# Altium PCB RUMBA32.PcbDoc (part 3 of 3)
Units mm, origin at the board's own origin, x right, y up, seen from the top; angles counter-clockwise.
Board outline 135 x 75 mm, 4 copper layers (Component Side, Ground Plane, Power Plane, Solder Side), stack 0.844 mm thick; 268 components, 214 nets, 1103 pads, 236 vias.
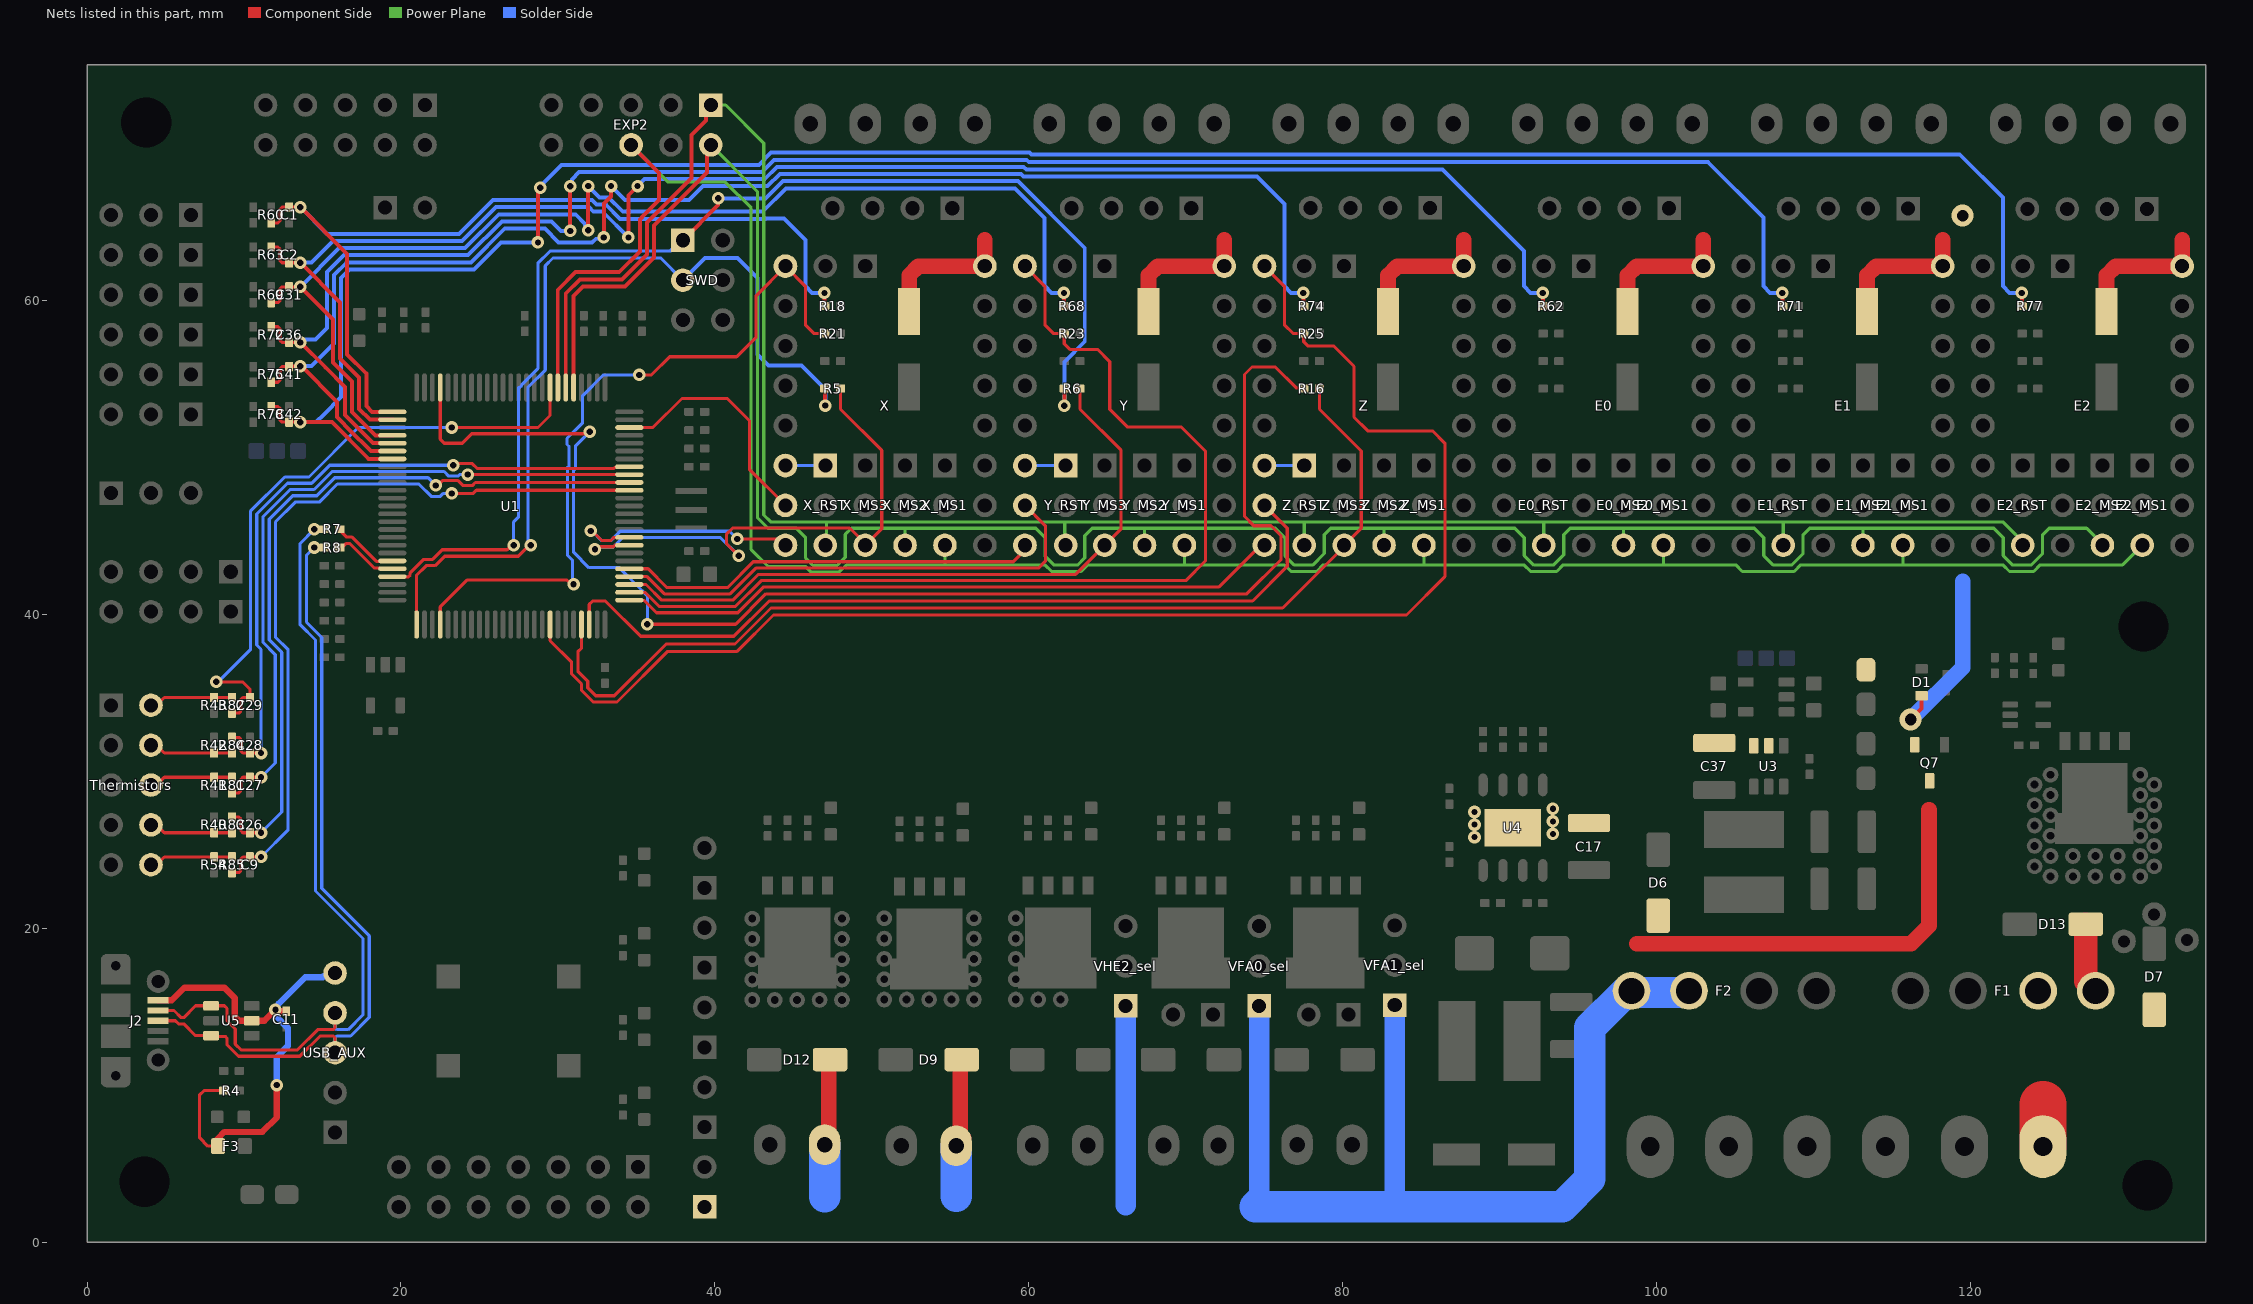
[diagram p5: the nets of this part, all layers, seen from the top]

## Via types
v1: diameter 0.8, hole 0.4, Component Side to Solder Side, tented both sides, 234 vias
v2: diameter 1.4, hole 0.75, Component Side to Solder Side, 2 vias

## Nets (pads, with @x,y where several pads share a name; then routed paths per layer and width w, separated by ;. In a path a pad name is that pad's centre, name@x,y a point inside that pad or via, vN(x,y) a via of type N, cw(c..) or ccw(c..) an arc to the next point about the centre after c; other vN are vias at no path point) (continued)
SPI1_MISO: E0_RST.3 E1_RST.3 E2_RST.3 EXP2.1 U1.31 X_RST.3 Y_RST.3 Z_RST.3 | length 140.1
  Component Side w0.254: U1.31@30.499,54.446 30.499,60.428 31.408,61.337 34.095,61.337 35.673,62.916 35.673,64.956 38.499,67.782 38.499,70.54 39.421,71.462 39.421,72.122 EXP2.1@39.743,72.444
  Power Plane w0.2: EXP2.1@39.743,72.444 40.685,72.444 43.111,70.018 43.111,46.325 43.555,45.881 47.117,45.881 ; X_RST.3@47.039,44.396 47.117,44.474 47.117,45.881 ; Y_RST.3@62.297,44.396 62.297,45.886 ; Z_RST.3@77.556,44.396 77.556,45.881 ; E0_RST.3@92.814,44.396 92.814,45.868 ; E1_RST.3@108.072,44.396 108.072,45.868 ; E2_RST.3@123.331,44.396 123.331,44.616 122.061,45.886 121.232,45.886 121.228,45.881 120.354,45.881 120.349,45.886 118.674,45.886 118.669,45.881 108.072,45.881 90.711,45.881 77.556,45.881 ; 47.117,45.881 62.293,45.881 62.297,45.886 ; 62.297,45.886 62.302,45.881 75.453,45.881 75.458,45.886 77.407,45.886 77.412,45.881 77.556,45.881
SPI1_MOSI: E0_MS1.3 E1_MS1.3 E2_MS1.3 EXP2.6 U1.32 X_MS1.3 Y_MS1.3 Z_MS1.3 | length 150.8
  Component Side w0.254: U1.32@29.999,54.446 29.989,54.456 29.989,60.649 31.132,61.791 33.907,61.791 35.219,63.104 35.219,65.144 35.35,65.275 35.35,65.298 36.444,66.392 36.444,68.122 EXP2.6@34.663,69.904
  Power Plane w0.2: EXP2.6@34.663,69.904 37.034,67.532 40.673,67.532 42.311,65.894 42.311,44.117 43.382,43.046 45.761,43.046 46.111,42.696 47.937,42.696 48.367,43.126 54.659,43.126 ; X_MS1.3@54.659,44.396 54.659,43.126 ; Y_MS1.3@69.917,44.396 69.917,43.144 ; Z_MS1.3@85.176,44.396 85.176,43.144 ; E1_MS1.3@115.692,44.396 115.692,43.144 ; E2_MS1.3@130.951,44.396 129.699,43.144 124.442,43.144 124.024,42.726 122.491,42.726 122.091,43.126 115.692,43.126 115.692,43.144 ; 54.659,43.126 61.057,43.126 61.458,42.726 63.337,42.726 63.755,43.144 69.917,43.144 ; 69.917,43.144 69.917,43.126 76.316,43.126 76.716,42.726 78.344,42.726 78.762,43.144 85.176,43.144 ; 85.176,43.144 85.176,43.126 91.574,43.126 91.974,42.726 93.63,42.726 94.048,43.144 100.434,43.144 E0_MS1.3@100.434,44.396 100.434,43.126 101.73,43.126 101.75,43.146 105.048,43.146 105.468,42.726 108.766,42.726 109.184,43.144 115.692,43.144
SPI1_SCK: E0_MS2.3 E1_MS2.3 E2_MS2.3 EXP2.2 U1.30 X_MS2.3 Y_MS2.3 Z_MS2.3 | length 157.8
  Component Side w0.254: U1.30@30.999,54.446 30.999,60.286 31.596,60.883 34.283,60.883 36.127,62.727 36.127,64.768 39.504,68.145 39.504,69.666 EXP2.2@39.743,69.904
  Power Plane w0.2: EXP2.2@39.743,69.904 42.711,66.935 42.711,46.16 43.39,45.481 45.192,45.481 45.769,44.904 45.769,43.604 46.277,43.096 47.771,43.096 48.309,43.634 48.309,45.085 48.706,45.481 52.119,45.481 ; X_MS2.3@52.119,44.396 52.119,45.481 ; Y_MS2.3@67.377,44.396 67.377,45.426 67.432,45.481 ; Z_MS2.3@82.636,44.396 82.636,45.481 79.236,45.481 78.826,45.071 78.826,43.869 78.083,43.126 76.924,43.126 76.316,43.735 76.316,44.879 75.713,45.481 67.432,45.481 ; 82.691,45.481 90.972,45.481 91.574,44.879 91.574,43.735 92.183,43.126 93.416,43.126 94.084,43.794 94.084,45.071 94.494,45.481 97.894,45.481 E0_MS2.3@97.894,44.396 ; 97.949,45.481 106.23,45.481 106.832,44.879 106.832,43.735 107.441,43.126 108.6,43.126 109.342,43.869 109.342,45.071 109.753,45.481 113.153,45.481 ; E1_MS2.3@113.152,44.396 113.152,45.481 ; 113.207,45.481 121.488,45.481 122.091,44.879 122.091,43.735 122.699,43.126 123.858,43.126 124.601,43.869 124.601,45.071 125.011,45.481 127.4,45.481 128.411,44.471 E2_MS2.3@128.411,44.396 ; 52.119,45.481 60.45,45.481 61.027,44.904 61.027,43.723 61.624,43.126 63.103,43.126 63.567,43.59 63.567,45.009 64.04,45.481 67.432,45.481
SWCLK: R5.2 SWD.3 U1.76 | length 57.2
  Component Side w0.2: U1.76@20.999,39.346 20.981,39.364 20.981,42.469 21.608,43.096 22.18,43.096 22.78,43.696 27.47,43.696 28.17,44.396 v1(28.275,44.396)
  Component Side w0.254: R5.2@47.006,54.376 47.006,53.33 v1(47.039,53.296)
  Solder Side w0.2: v1(28.275,44.396) 28.275,44.559 28.085,44.748 28.085,49.596 28.085,54.446 29.192,55.554 29.192,62.198 29.688,62.693 36.552,62.693 SWD.3@37.959,61.286
  Solder Side w0.254: SWD.3@37.959,61.286 39.366,62.693 41.451,62.693 42.711,61.433 42.711,56.547 43.404,55.855 45.511,55.855 47.039,54.326 v1(47.039,53.296)
SWDIO: R6.2 SWD.1 U1.72 | length 78
  Component Side w0.2: U1.72@19.449,42.396 19.468,42.377 20.464,42.377 20.581,42.494 20.581,42.634 21.443,43.496 22.014,43.496 22.625,44.107 26.763,44.107 27.052,44.396 v1(27.18,44.396)
  Component Side w0.254: SWD.1@37.959,63.826 40.208,66.075 v1(40.208,66.502) ; v1(62.264,53.286) R6.2@62.264,54.376
  Solder Side w0.2: v1(27.18,44.396) 27.18,45.881 27.499,46.2 27.499,54.446 27.568,54.446 27.685,54.563 27.685,54.612 28.725,55.652 28.725,62.373 29.5,63.147 37.187,63.147 SWD.1@37.243,63.203
  Solder Side w0.254: SWD.1@37.243,63.203 37.336,63.203 SWD.1@37.959,63.826 ; v1(40.208,66.502) 43.238,66.502 44.33,67.594 59.303,67.594 63.567,63.33 63.567,57.383 62.264,56.079 v1(62.264,53.286)
THERM0: R43.2 R82.1 Thermistors.2 | length 5.8
  Component Side w0.2: Thermistors.2@4.072,34.196 4.424,34.196 4.924,34.696 8.492,34.696 ; R43.2@8.092,34.696 R82.1@9.235,34.696
THERM0_ADC: C29.2 R82.2 U1.33 | length 40.1
  Component Side w0.2: v1(8.23,35.693) 9.903,35.693 10.378,35.219 C29.2@10.378,34.696 9.927,34.696 9.81,34.579 9.81,33.871 9.785,33.846 9.785,33.813 9.667,33.696 R82.2@9.26,33.696 ; v1(23.236,51.896) 28.729,51.896 29.499,52.666 U1.33@29.499,54.446
  Solder Side w0.2: v1(8.23,35.693) 8.369,35.693 10.407,37.731 10.407,46.551 12.602,48.746 14.138,48.746 17.288,51.896 v1(23.236,51.896)
THERM1: R42.2 R84.1 Thermistors.4 | length 5.8
  Component Side w0.2: Thermistors.4@4.072,31.656 4.424,31.656 4.924,31.156 8.491,31.156 ; R42.2@8.091,31.156 R84.1@9.235,31.156
THERM1_ADC: C28.2 R84.2 U1.18 | length 42.9
  Component Side w0.2: R84.2@9.26,32.156 9.667,32.156 9.785,32.039 9.785,32.006 9.81,31.981 9.81,31.273 9.927,31.156 C28.2@10.378,31.156 v1@10.731,31.156 ; v1(23.336,49.496) 23.436,49.596 24.542,49.596 24.842,49.296 33.563,49.296 33.613,49.346 33.722,49.346 33.772,49.396 U1.18@34.549,49.396
  Solder Side w0.2: v1(11.085,31.156) 11.085,37.76 10.807,38.039 10.807,46.385 12.768,48.346 14.304,48.346 15.454,49.496 v1(23.336,49.496)
THERM2: R41.2 R81.1 Thermistors.6 | length 5.8
  Component Side w0.2: Thermistors.6@4.072,29.116 4.424,29.116 4.924,29.616 8.491,29.616 ; R41.2@8.091,29.616 R81.1@9.235,29.616
THERM2_ADC: C27.2 R81.2 U1.17 | length 44.3
  Component Side w0.2: R81.2@9.26,28.616 9.667,28.616 9.785,28.733 9.785,28.766 9.81,28.791 9.81,29.499 9.927,29.616 C27.2@10.378,29.616 v1@10.731,29.616 ; v1(24.252,48.896) U1.17@34.549,48.896
  Solder Side w0.2: v1(11.085,29.616) 11.991,30.522 11.991,37.42 11.207,38.204 11.207,46.22 12.934,47.946 14.469,47.946 15.619,49.096 22.746,49.096 23.046,48.796 23.626,48.796 23.726,48.896 v1(24.252,48.896)
THERM3: R40.2 R83.1 Thermistors.8 | length 5.4
  Component Side w0.2: Thermistors.8@4.072,26.576 4.424,26.576 4.924,26.076 R83.1@9.235,26.076
THERM3_ADC: C26.2 R83.2 U1.16 | length 47.8
  Component Side w0.2: R83.2@9.26,27.076 9.667,27.076 9.785,26.959 9.785,26.926 9.81,26.901 9.81,26.193 9.927,26.076 C26.2@10.378,26.076 v1@10.731,26.076 ; v1(22.22,48.206) 22.33,48.206 22.638,48.514 23.645,48.514 23.962,48.196 24.542,48.196 24.742,48.396 U1.16@34.549,48.396
  Solder Side w0.2: v1(11.085,26.076) 12.407,27.398 12.407,37.57 11.607,38.37 11.607,46.054 13.1,47.546 14.635,47.546 15.785,48.696 21.73,48.696 v1(22.22,48.206)
THERM4: R54.2 R85.1 Thermistors.10 | length 5.6
  Component Side w0.2: Thermistors.10@4.248,24.036 4.424,24.036 4.924,24.536 8.491,24.536 ; R54.2@8.091,24.536 R85.1@9.235,24.536
THERM4_ADC: C9.2 R85.2 U1.15 | length 48.7
  Component Side w0.2: R85.2@9.26,23.536 9.667,23.536 9.785,23.653 9.785,23.686 9.81,23.711 9.81,24.419 9.927,24.536 C9.2@10.378,24.536 v1@10.731,24.536 ; v1(23.236,47.698) 24.61,47.698 24.808,47.896 U1.15@34.549,47.896
  Solder Side w0.2: v1(11.085,24.536) 12.807,26.258 12.807,37.736 12.007,38.536 12.007,45.888 13.265,47.146 14.801,47.146 15.951,48.296 21.14,48.296 21.93,47.506 22.51,47.506 22.702,47.698 v1(23.236,47.698)
USB_D_N: R7.1 U1.70 | length 4.1
  Component Side w0.2: R7.1@16.162,45.296 16.545,44.914 16.888,44.914 18.434,43.367 18.6,43.367 18.609,43.377 19.43,43.377 U1.70@19.449,43.396
USB_D_P: R8.1 U1.71 | length 4.1
  Component Side w0.2: R8.1@16.162,44.153 16.523,44.514 16.722,44.514 18.29,42.946 18.622,42.946 18.672,42.896 U1.71@19.449,42.896
USB_N: J2.D- R7.2 U5.1 USB_AUX.4 | length 51.6
  Component Side w0.2: J2.D-@4.525,14.75 5.54,14.75 5.99,14.3 6.156,14.3 6.906,15.05 8.75,15.05 8.912,14.887 8.912,14.1 9.437,13.575 9.437,12.613 9.812,12.238 13.396,12.238 14.688,13.53 15.683,13.53 15.8,13.647 USB_AUX.4@15.8,14.6
  Solder Side w0.2: v1(14.482,45.416) 13.577,44.511 13.577,39.33 14.552,38.355 14.552,22.368 17.577,19.343 17.577,14.477 16.63,13.53 15.917,13.53 15.8,13.647 USB_AUX.4@15.8,14.6
USB_P: J2.D+ R8.2 U5.3 USB_AUX.3 | length 49.5
  Component Side w0.2: J2.D+@4.525,14.1 5.625,14.1 5.825,13.9 6.156,13.9 6.906,13.15 8.025,13.15 8.075,13.1 8.803,13.1 8.912,12.99 8.912,12.572 9.647,11.838 13.562,11.838 14.854,13.13 15.683,13.13 15.8,13.013 USB_AUX.3@15.8,12.06
  Solder Side w0.2: v1(14.482,44.251) 14.462,44.251 13.977,43.766 13.977,39.496 14.952,38.521 14.952,22.534 17.977,19.509 17.977,14.312 16.796,13.13 15.917,13.13 15.8,13.013 USB_AUX.3@15.8,12.06
USBVCC: C11.2 F3.1 J2.VBUS R4.2 U5.5 USB_AUX.5 | length 32.9
  Component Side w0.2: F3.1@8.35,6.114 7.7,6.114 7.168,6.646 7.168,9.18 7.156,9.192 7.156,9.358 7.448,9.65 R4.2@8.7,9.65
  Component Side w0.4: J2.VBUS@4.525,15.4 5.4,15.4 6.202,16.202 8.758,16.202 9.412,15.548 9.412,14.388 9.7,14.1 10.4,14.1 U5.5@10.5,14.1 11.3,14.1 v1(12,14.8) 12.108,14.8 12.208,14.7 C11.2@12.692,14.7 ; F3.1@8.35,6.114 8.325,6.139 8.325,6.589 8.75,7.014 11.163,7.014 12.077,7.928 v1(12.077,10)
  Solder Side w0.4: v1(12,14.8) 12.077,14.723 12.077,14.355 12.8,13.631 12.8,12.5 12.077,11.777 v1(12.077,10) ; 12.2,15.179 13.9,16.879 15.016,16.879 15.066,16.93 15.59,16.93 USB_AUX.5@15.8,17.14
VIN1: C17.2 C37.2 D6.K D9.K D12.K F2.0 HE0.1 HE1.1 PWR.1 Q7.3 U3.2 U3.3 U4.9 VFA0_sel.1 VFA1_sel.1 VHE2_sel.1 | length 121.3
  Component Side w1: HE0.1@47.255,6.466 D12.K@47.255,11.551 ; HE1.1@55.376,6.129 HE1.1@55.637,6.39 ; D9.K@55.637,11.475 HE1.1@55.637,6.39 ; HE1.1@55.85,6.603 HE1.1@55.637,6.39 ; U4.9@90.45,26.5 U4.9@90.55,26.4 ; 98.758,19 116.211,19 117.365,20.154 117.365,27.552
  Solder Side w1.3: 66.171,2.344 VHE2_sel.1@66.171,15.044 ; 74.68,2.497 VFA0_sel.1@74.68,15.044 ; 83.316,2.25 VFA1_sel.1@83.316,15.095
  Solder Side w2: 46.994,2.878 HE0.1@46.994,6.205 ; 55.376,2.929 HE1.1@55.376,6.129 ; 74.68,2.497 74.426,2.243 83.265,2.243 ; 83.316,2.25 93.986,2.25 95.75,4.014 95.75,13.65 98,15.9 F2.0@102.065,15.9
  other v1: 88.4,25.8 93.4,26 88.4,26.6 93.4,26.8 88.4,27.4 93.4,27.6
VIN2: D7.K D13.K F1.1 HB-OUT.2 | length 7.2
  Component Side w1.5: D13.K@127.35,20.254 127.35,16.629 F1.1@127.975,16.004
  Component Side w3: HB-OUT.2@124.616,6.078 124.616,8.757
VMOT: C21.1 C22.1 C23.1 C24.1 C25.1 C30.1 D1.K D3.K E0.16 E1.16 E2.16 Q7.2 X.16 Y.16 Z.16 | length 67
  Component Side w0.254: v2@115.996,33.499 v2(116.193,33.301) v2@116.32,33.174 ; v2@116.447,33.301 116.447,33.555 116.889,33.997 D1.K@116.889,34.814
  Component Side w0.6: v2@116.231,33.301 v2@116.447,33.301 ; v2@116.32,33.174 v2@116.447,33.047
  Component Side w1: C21.1@52.374,59.275 52.377,59.278 52.377,61.59 52.963,62.176 X.16@57.199,62.176 57.199,63.846 ; C22.1@67.632,59.275 67.635,59.278 67.635,61.59 68.221,62.176 Y.16@72.457,62.176 72.457,63.846 ; C23.1@82.89,59.275 82.893,59.278 82.893,61.591 83.479,62.176 Z.16@87.716,62.176 87.716,63.846 ; C24.1@98.149,59.275 98.152,59.278 98.152,61.59 98.737,62.176 E0.16@102.974,62.176 102.974,63.846 ; C25.1@113.407,59.275 113.41,59.278 113.41,61.59 113.996,62.176 E1.16@118.232,62.176 118.232,63.846 ; C30.1@128.665,59.275 128.668,59.278 128.668,61.591 129.254,62.176 E2.16@133.491,62.176 133.491,63.846
  Solder Side w1: v2(116.193,33.301) 119.503,36.611 119.503,42.11
  other v2: 119.503,65.396
X-CS/RX: R5.1 U1.8 X_MS3.3 | length 35.2
  Component Side w0.2: v1(32.357,44.139) 32.515,44.296 33.365,44.296 33.546,44.297 33.645,44.396 U1.8@34.549,44.396 ; v1(41.524,43.723) 41.515,43.723 40.731,44.506 40.731,45.086 41.141,45.496 48.589,45.496 49.634,44.451 50.629,45.446 50.629,50.443 48.006,53.066 R5.1@48.006,54.376
  Solder Side w0.2: v1(32.357,44.139) 32.243,44.139 32.2,44.182 32.311,44.293 33.542,44.293 34.14,44.891 40.346,44.891 41.515,43.723 v1(41.524,43.723)
X-DIR: U1.9 X.8 | length 16.1
  Component Side w0.2: v1(32.099,45.306) 32.18,45.306 32.79,44.696 33.199,44.696 ; 33.2,44.697 33.38,44.697 33.58,44.896 U1.9@34.549,44.896 ; v1(41.431,44.796) 44.099,44.796 X.8@44.499,44.396
  Solder Side w0.2: v1(32.099,45.306) 32.18,45.306 32.793,44.693 33.377,44.693 33.974,45.291 40.936,45.291 v1(41.431,44.796) ; v1@41.431,44.693 v1@41.481,44.693
X-EN: R21.2 U1.79 X.1 | length 46.8
  Component Side w0.2: U1.79@22.499,39.346 22.499,40.47 24.201,42.172 30.582,42.172 30.848,41.906 v1(30.999,41.906) ; v1(35.179,55.245) 35.957,55.245 37.117,56.405 41.388,56.405 42.627,57.644 42.627,60.304 X.1@44.499,62.176 45.769,60.906 45.769,58.441 46.327,57.883 R21.2@47.006,57.883
  Solder Side w0.2: v1(30.999,41.906) 30.929,41.976 30.929,43.446 30.599,43.776 30.599,49.329 30.712,49.442 30.712,50.684 30.583,50.813 30.583,51.203 31.575,52.196 31.575,53.929 32.892,55.245 v1(35.179,55.245)
X-MAX: C2.2 R62.2 R63.2 U1.52 | length 106.3
  Component Side w0.2: R63.2@11.758,63.398 12.166,63.398 12.283,63.281 12.283,63.248 12.308,63.223 12.308,62.515 12.425,62.398 C2.2@12.876,62.398 v1(13.584,62.398)
  Component Side w0.254: v1(13.584,62.398) 16.114,59.867 16.114,56.3 17.337,55.078 17.337,53.074 18.014,52.396 U1.52@19.449,52.396 ; v1(34.492,64.011) 34.492,66.696 v1(35.076,67.281) ; v1(92.755,60.473) 92.755,59.661 R62.2@92.781,59.636
  Solder Side w0.254: v1(13.584,62.398) 14.286,62.398 15.67,63.782 23.893,63.782 26.049,65.938 31.984,65.938 32.277,65.646 32.857,65.646 v1(34.492,64.011) ; v1(35.076,67.281) 35.522,67.726 43.178,67.726 43.954,68.502 59.68,68.502 59.844,68.337 86.357,68.337 91.549,63.145 91.549,60.906 91.974,60.481 92.748,60.481 v1(92.755,60.473)
X-MIN: C1.2 R18.2 R60.2 U1.51 | length 58.6
  Component Side w0.2: R60.2@11.759,64.938 12.167,64.938 12.284,65.055 12.284,65.088 12.309,65.113 12.309,65.821 12.426,65.938 C1.2@12.877,65.938 v1@13.231,65.938
  Component Side w0.254: v1(13.584,65.938) 16.568,62.954 16.568,56.546 17.791,55.324 17.791,53.274 18.168,52.896 U1.51@19.449,52.896 ; v1(46.981,60.473) 46.981,59.661 R18.2@47.006,59.636
  Solder Side w0.254: v1(13.584,65.938) 15.286,64.236 23.705,64.236 25.861,66.392 32.172,66.392 32.465,66.1 33.049,66.1 33.957,65.192 43.212,65.192 43.244,65.224 44.397,65.224 45.774,63.847 45.774,60.906 46.2,60.481 46.973,60.481 v1(46.981,60.473)
X-S\L\P\: X.6 X_RST.1 | length 2.5
  Solder Side w0.2: X.6@44.499,49.476 X_RST.1@47.039,49.476
X-STEP: U1.23 X.7 | length 15.4
  Component Side w0.2: U1.23@34.549,51.896 36.052,51.896 37.904,53.748 40.799,53.748 42.2,52.346 42.2,49.235 X.7@44.499,46.936
Y-CS/RX: R6.1 U1.3 Y_MS3.3 | length 43.7
  Component Side w0.2: U1.3@34.549,41.896 35.616,41.896 36.616,40.896 41.136,40.896 42.781,42.541 62.983,42.541 Y_MS3.3@64.837,44.396 65.887,45.446 65.887,50.443 63.264,53.066 R6.1@63.264,54.376
Y-DIR: U1.5 Y.8 | length 27
  Component Side w0.2: U1.5@34.549,42.896 35.747,42.896 36.947,41.696 40.805,41.696 42.45,43.341 59.012,43.341 59.757,44.087 Y.8@59.757,44.396
Y-EN: R23.2 U1.2 Y.1 | length 65.3
  Component Side w0.2: U1.2@34.549,41.396 35.55,41.396 36.45,40.496 41.302,40.496 42.947,42.141 70.003,42.141 71.257,43.396 71.257,50.396 69.734,51.92 66.3,51.92 65.163,53.057 65.163,56.096 64.381,56.878 62.618,56.878 62.264,57.233 R23.2@62.264,57.883 61.586,57.883 61.027,58.441 61.027,60.906 Y.1@59.757,62.176
Y-MAX: C36.2 R71.2 R72.2 U1.55 | length 122.9
  Component Side w0.2: R72.2@11.758,58.318 12.166,58.318 12.283,58.201 12.283,58.168 12.308,58.143 12.308,57.435 12.425,57.318 C36.2@12.876,57.318 v1(13.584,57.318)
  Component Side w0.254: v1(13.584,57.318) 13.603,57.318 15.206,55.714 16.429,54.492 16.429,52.698 16.729,52.398 16.889,52.237 18.23,50.896 U1.55@19.449,50.896 ; v1(30.779,64.422) v1(30.779,67.271) ; v1(108.014,60.473) 108.014,59.661 R71.2@108.039,59.636
  Solder Side w0.254: v1(13.584,57.318) 13.731,57.318 13.911,57.497 14.542,57.497 15.286,58.241 15.286,61.803 16.357,62.874 24.269,62.874 26.425,65.03 29.592,65.03 30.2,64.422 v1(30.779,64.422) ; v1(30.779,67.271) 30.884,67.376 30.884,67.71 31.353,68.18 42.99,68.18 43.766,68.956 59.868,68.956 60.024,68.799 103.291,68.799 106.807,65.283 106.807,60.906 107.233,60.481 108.006,60.481 v1(108.014,60.473)
Y-MIN: C31.2 R68.2 R69.2 U1.54 | length 76.6
  Component Side w0.2: R69.2@11.759,59.858 12.167,59.858 12.284,59.975 12.284,60.008 12.309,60.033 12.309,60.741 12.426,60.858 C31.2@12.877,60.858 v1(13.584,60.858)
  Component Side w0.254: v1(13.584,60.858) 15.66,58.782 15.66,56.046 16.883,54.824 16.883,52.886 18.372,51.396 U1.54@19.449,51.396 ; v1(31.926,64.465) v1(31.926,67.281) ; v1(62.239,60.473) 62.239,59.661 R68.2@62.264,59.636
  Solder Side w0.254: v1(13.584,60.858) 16.055,63.328 24.081,63.328 26.237,65.484 31.127,65.484 31.738,64.873 31.738,64.801 31.926,64.613 v1(31.926,64.465) ; v1(31.926,67.281) 32.653,66.554 33.237,66.554 34.145,65.646 43.024,65.646 44.518,67.14 59.115,67.14 61.006,65.249 61.006,60.933 61.458,60.481 62.231,60.481 v1(62.239,60.473)
Y-S\L\P\: Y.6 Y_RST.1 | length 2.5
  Solder Side w0.2: Y.6@59.757,49.476 Y_RST.1@62.297,49.476
Y-STEP: U1.4 Y.7 | length 31.9
  Component Side w0.2: U1.4@34.549,42.396 35.681,42.396 36.781,41.296 40.97,41.296 42.616,42.941 60.619,42.941 61.057,43.38 61.057,45.636 Y.7@59.757,46.936
Z-CS/RX: R16.1 U1.97 Z_MS3.3 | length 68.3
  Component Side w0.2: U1.97@31.499,39.346 31.499,37.83 31.274,37.605 31.274,36.36 31.902,35.732 31.902,35.316 32.413,34.806 33.596,34.806 36.892,38.102 41.28,38.102 43.575,40.396 76.178,40.396 80.096,44.314 Z_MS3.3@80.096,44.396 81.186,45.486 81.186,50.403 78.522,53.066 R16.1@78.522,54.376
Z-DIR: U1.1 Z.8 | length 42.6
  Component Side w0.2: U1.1@34.549,40.896 34.568,40.877 35.503,40.877 36.284,40.096 41.467,40.096 43.113,41.741 72.131,41.741 74.786,44.396 Z.8@75.016,44.396
Z-EN: R25.2 U1.93 Z.1 | length 92
  Component Side w0.2: U1.93@29.499,39.346 29.499,38.317 30.874,36.942 30.874,36.194 31.502,35.566 31.502,35.151 32.247,34.406 33.761,34.406 36.987,37.631 41.416,37.631 43.737,39.951 84.071,39.951 86.516,42.396 86.516,50.896 85.727,51.685 81.601,51.685 80.724,52.561 80.724,55.79 79.418,57.096 77.776,57.096 77.522,57.35 R25.2@77.522,57.883 76.844,57.883 76.286,58.441 76.286,60.906 Z.1@75.016,62.176
Z-MAX: C42.2 R77.2 R78.2 U1.57 | length 140.6
  Component Side w0.2: R78.2@11.758,53.238 12.166,53.238 12.283,53.121 12.283,53.088 12.308,53.063 12.308,52.355 12.425,52.238 C42.2@12.876,52.238 v1(13.584,52.238)
  Component Side w0.254: v1(13.584,52.238) 15.604,52.238 17.946,49.896 U1.57@19.449,49.896 ; v1(28.729,63.69) 28.729,67.02 v1(28.883,67.174) ; v1(123.272,60.473) 123.272,59.661 R77.2@123.297,59.636
  Solder Side w0.254: v1(13.584,52.238) 14.594,52.238 15.087,52.731 16.194,53.838 16.194,61.427 16.733,61.966 24.646,61.966 26.369,63.69 v1(28.729,63.69) ; v1(28.883,67.174) 28.883,67.274 30.243,68.634 42.802,68.634 43.577,69.41 60.056,69.41 60.165,69.3 119.319,69.3 122.066,66.553 122.066,60.906 122.491,60.481 123.264,60.481 v1(123.272,60.473)
Z-MIN: C41.2 R74.2 R75.2 U1.56 | length 93
  Component Side w0.2: R75.2@11.759,54.778 12.167,54.778 12.284,54.895 12.284,54.928 12.309,54.953 12.309,55.661 12.426,55.778 C41.2@12.877,55.778 ; C41.2@12.877,55.803 v1(13.584,55.803)
  Component Side w0.254: v1(13.584,55.803) 13.648,55.803 15.924,53.527 15.924,52.56 16.114,52.37 16.701,51.783 18.088,50.396 U1.56@19.449,50.396 ; v1(32.923,64.011) 32.923,66.167 33.384,66.628 v1(33.384,67.281) ; v1(77.497,60.473) 77.497,59.661 R74.2@77.522,59.636